# Altium PCB R3P903.PcbDoc
Units mil, origin at the board's own origin, x right, y up, seen from the top; angles counter-clockwise.
Board outline 3937.01 x 3937.01 mil, 2 copper layers (Top Layer, Bottom Layer); 80 components, 52 nets, 236 pads, 28 vias.
Unrouted connection lines stored in the file: 74.
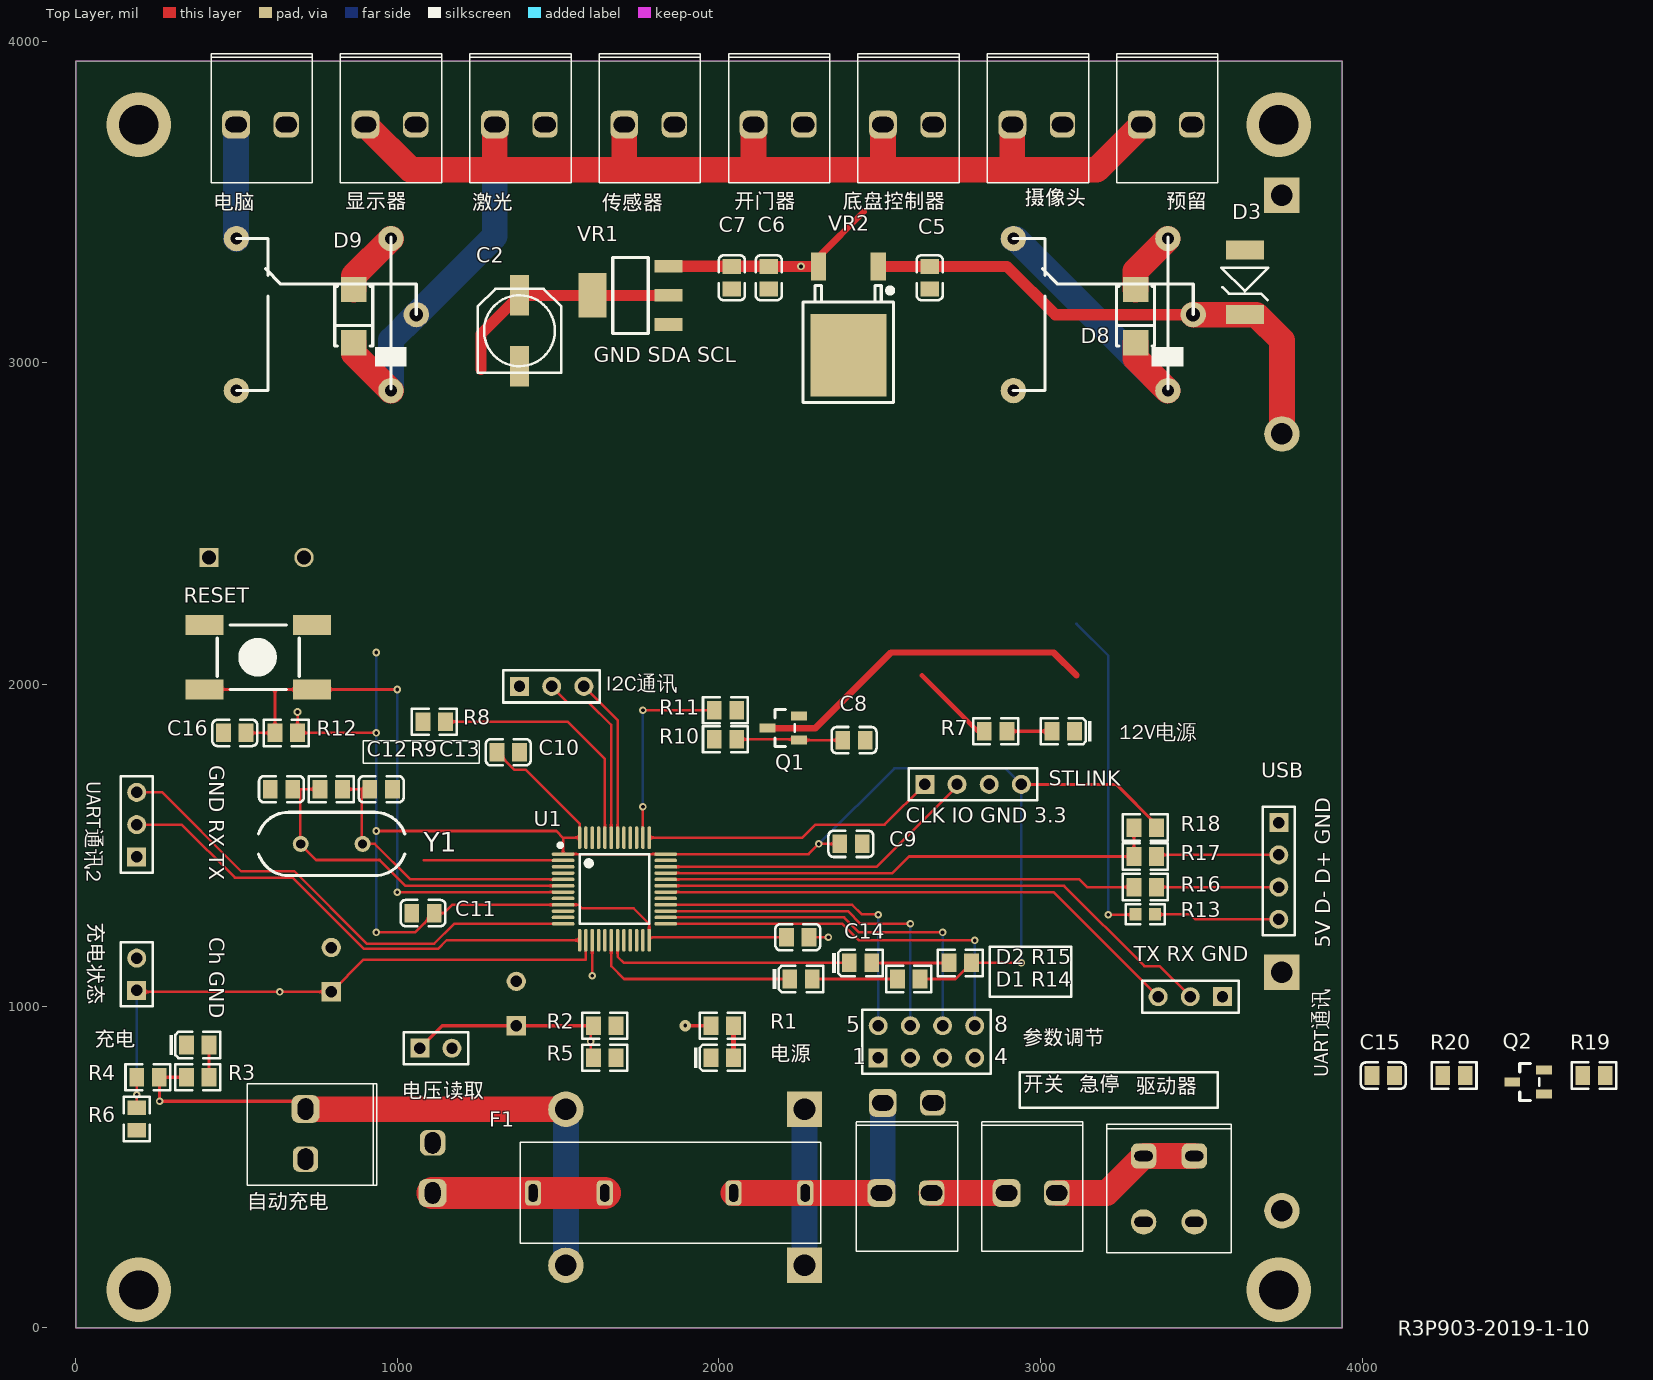
[diagram p0: Top Layer view]
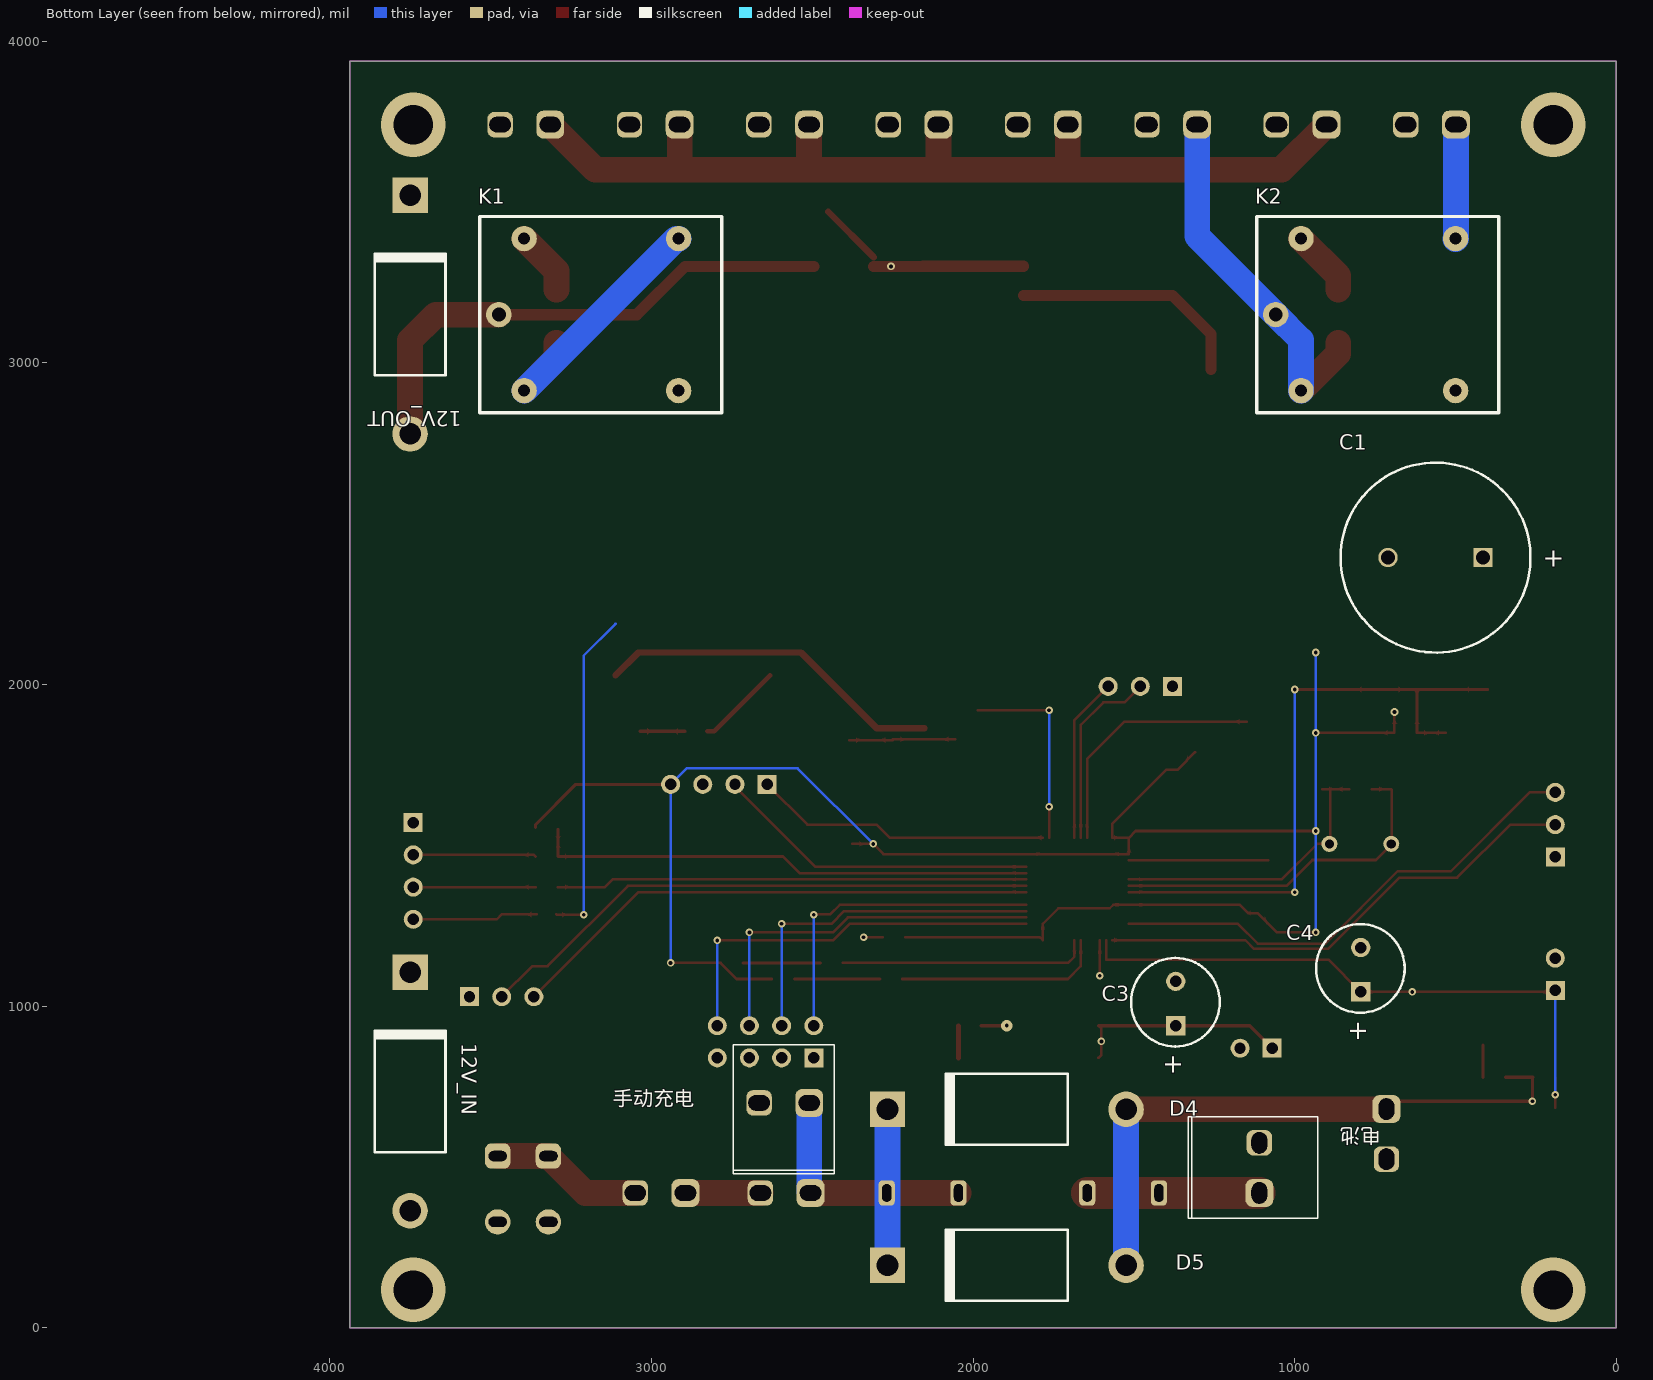
[diagram p1: Bottom Layer view, seen from below]
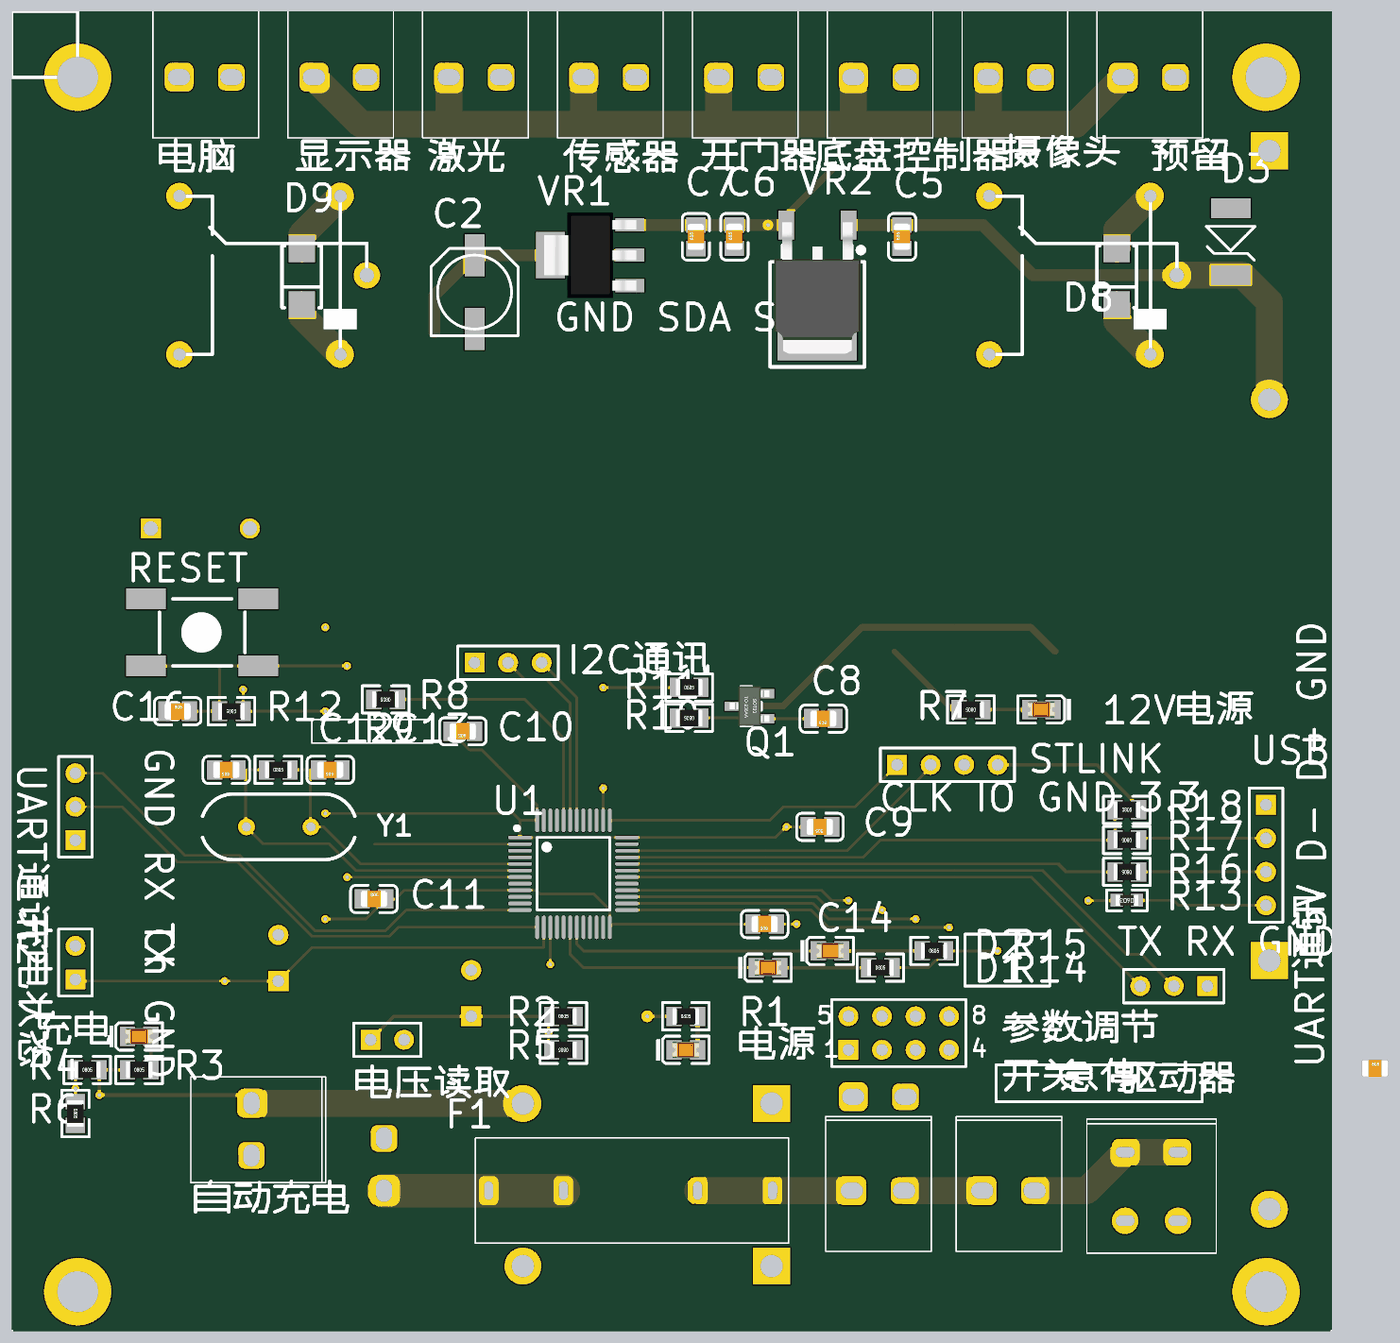
[diagram p2: 3D render of the assembled board from above, using the file's embedded part models]

## Layer stack, top to bottom
Top Solder: solder mask 0.4, Solder Resist, Dk 3.5
Top Layer: signal copper 1.4
Dielectric 1: dielectric 12.6, FR-4, Dk 4.8
Bottom Layer: signal copper 1.4
Bottom Solder: solder mask 0.4, Solder Resist, Dk 3.5

## Board outline
0,0 3937.01,0 3937.01,3937.01 0,3937.01

## Design rules (kind name [scope] priority, off if disabled: settings)
Clearance [All] p1: gap=8 ignorepadtopadclearanceinfootprint=FALSE
PlaneClearance [All] p1: clearance=50
PlaneConnect [All] p1: planeconnectstyle=Direct reliefexpansion=20 reliefentries=4 reliefconductorwidth=10 reliefairgap=10
PolygonConnect [All] p1: connectstyle=Direct reliefconductorwidth=12 reliefentries=4 polygonreliefangle="90 Angle" airgapwidth=10
RoutingVias [All] p1: holewidth=28 width=50 viastyle="Through Hole" minholewidth=28 minwidth=50 maxholewidth=28 maxwidth=50
SolderMaskExpansion [All] p1: expansion=4
Width [All] p1: maxlimit=200 minlimit=8 preferedwidth=50
28 further rules are at their usual default settings.

## Components (designator, comment, footprint, x,y, rotation, side; value= is the part's Value field where it differs from the comment)
12V_IN "Diode 1N5408" DO-201AD 3750,735 r90 bottom
12V_OUT "Diode 1N5408" DO-201AD 3750,3149.61 r90 bottom
12V电源 "红灯 0805" LC-0805_LED_S1 3070,1854.45 r180 top
C1 "Cap" Cap-DIP-10.0 414.72,2394.45 r180 bottom
C2 "22uF" CC6.56.5 1380,3099.45 r270 top
C3 "Cap" CAP-DIP-3.5 1370,939.45 r270 bottom
C4 "Cap" CAP-DIP-3.5 795,1044.45 r270 bottom
C5 "330nF (334) 10% 50V" LC-0805_C 2655,3264.45 r90 top
C6 "100nF(104) 10% 50V" LC-0805_C 2155,3264.45 r90 top
C7 "10uF (106) 10% 25V" LC-0805_C 2040,3264.25 r90 top
C8 "1uF (105) 10% 50V" LC-0805_C 2420.04,1827.05 r180 top
C9 "1uF (105) 10% 50V" LC-0805_C 2410,1504.45 r180 top
C10 "100nF(104) 10% 50V" LC-0805_C 1345,1789.45 r180 top
C11 "100nF(104) 10% 50V" LC-0805_C 1080,1289.45 r0 top
C12 "22pF (220) 5% 50V" LC-0805_C 639.96,1674.45 r180 top
C13 "22pF (220) 5% 50V" LC-0805_C 950,1674.45 r180 top
C14 "100nF(104) 10% 50V" LC-0805_C 2245,1214.45 r180 top
C15 "1uF (105) 10% 50V" LC-0805_C 4065,784.45 r0 top
C16 "100nF(104) 10% 50V" LC-0805_C 494.96,1849.45 r0 top
D1 "翠绿 0805" LC-0805_LED_S1 2255,1084.45 r0 top
D2 "红灯 0805" LC-0805_LED_S1 2440,1134.45 r0 top
D3 "SMBJ12A" SMBJ 3635,3255 r270 top
D4 "Diode 1N5408" DO-201AD 1895,679.45 r0 bottom
D5 "Diode 1N5408" DO-201AD 1895,194.45 r0 bottom
D8 "SS210" LC-SMA(DO-214AC)_S1 3295,3145 r90 top
D9 "SS210" LC-SMA(DO-214AC)_S1 865,3145 r90 top
F1 "Fuse" Fuse-20mm 1422.17,419.45 r0 top
I2C通讯 "Header 3" HDR1X3 1380,1993.98 r0 top (schematic designator I2CͨѶ)
K1 "Relay" JDQ-SRD-5DC 3159.09,3149.61 r270 bottom locked
K2 "Relay" JDQ-SRD-5DC 744.09,3149.61 r270 bottom locked
Q1 "SS8050 Y1" LC-SOT-23(SOT-23-3) 2200,1864.45 r0 top
Q2 "SS8050 Y1" LC-SOT-23(SOT-23-3) 4515,764.45 r0 top
R1 "20KΩ (2002) ±1%" LC-0805_R 2010.04,939.45 r0 top
R2 "50KΩ (5002) ±1%" LC-0805_R 1645,939.45 r0 top
R3 "20KΩ (2002) ±1%" LC-0805_R 380,779.41 r0 top
R4 "50KΩ (5002) ±1%" LC-0805_R 225,779.45 r0 top
R5 "10KΩ (1002) ±1%" LC-0805_R 1645,839.45 r180 top
R6 "10KΩ (1002) ±1%" LC-0805_R 190,649.45 r270 top
R7 "10KΩ (1002) ±1%" LC-0805_R 2860,1854.45 r180 top
R8 "10KΩ (1002) ±1%" LC-0805_R 1115,1884.45 r180 top
R9 "10MΩ (1005) ±1%" LC-0805_R 794.96,1674.45 r0 top
R10 "10KΩ (1002) ±1%" LC-0805_R 2020,1829.45 r180 top
R11 "1KΩ (1001) ±1%" LC-0805_R 2020,1920 r0 top
R12 "10KΩ (1002) ±1%" LC-0805_R 655,1849.45 r180 top
R13 "0Ω (0R0) ±1%" LC-0603_R 3325.32,1285.24 r180 top
R14 "510Ω (5100) ±1%" LC-0805_R 2590,1084.45 r0 top
R15 "510Ω (5100) ±1%" LC-0805_R 2750,1134.45 r0 top
R16 "10Ω (10R0) ±1%" LC-0805_R 3325,1370.24 r180 top
R17 "10Ω (10R0) ±1%" LC-0805_R 3325,1465.24 r180 top
R18 "1.5KΩ (1501) ±1%" LC-0805_R 3325,1555.24 r0 top
R19 "1KΩ (1001) ±1%" LC-0805_R 4720,784.45 r0 top
R20 "10KΩ (1002) ±1%" LC-0805_R 4285,784.45 r0 top
RESET "KEY_M" KEY_M 735,1984.45 r180 top
STLINK "Header 4" HDR1X4 2640,1689.45 r0 top
U1 "STM32F103C8T6" LC-LQFP-48_7x7x05P 1675,1364.45 r270 top
UART通讯 "Header 3" HDR1X3 3565,1029.45 r180 top (schematic designator UARTͨѶ)
UART通讯2 "Header 3" HDR1X3 190,1464.45 r90 top (schematic designator UARTͨѶ2)
USB "Header 4" HDR1X4 3740.16,1570.24 r270 top
VR1 "AMS1117-3.3" LC-SOT-223 1725,3209.45 r0 top
VR2 "L78M05ABDT-TR" LC-TO-252-2-180 2402.04,3299.45 r270 top
Y1 "8MHz" HC-49S 700,1504.45 r0 top
传感器 "Header 2" "VH-2A - Circle Hole" 1705.52,3740.16 r0 top
充电 "红灯 0805" LC-0805_LED_S1 380,879.45 r0 top
充电状态 "Header 2" HDR1X2 190,1049.45 r90 top
参数调节 "Header 4X2A" HDR2X4_CEN 2495,839.45 r0 top
底盘控制器 "Header 2" "VH-2A - Circle Hole" 2509.81,3740.16 r0 top
开关 "Header 2" "VH-2A - Circle Hole" 2505,419.45 r0 top
开门器 "Header 2" "VH-2A - Circle Hole" 2107.67,3740.16 r0 top
急停 "Header 2" "VH-2A - Circle Hole" 2894.09,419.45 r0 top
手动充电 "Header 2" "VH-2A - Circle Hole" 2509.09,699.45 r0 bottom
摄像头 "Header 2" "VH-2A - Circle Hole" 2911.95,3740.16 r0 top
显示器 "Header 2" "VH-2A - Circle Hole" 901.24,3740.16 r0 top
激光 "Header 2" "VH-2A - Circle Hole" 1303.38,3740.16 r0 top
电压读取 "Header 2" HDR1X2 1070,869.45 r0 top
电池 "Header 2" "VH-2A - Circle Hole" 1110,419.45 r90 bottom
电源 "红灯 0805" LC-0805_LED_S1 2010,839.45 r0 top
电脑 "Header 2" "VH-2A - Circle Hole" 499.09,3740.16 r0 top
自动充电 "Header 2" "VH-2A - Circle Hole" 715,680.35 r270 top
预留 "Header 2" "VH-2A - Circle Hole" 3314.09,3740.16 r0 top
驱动器 "插座" "HEADER 2X2" 3320,534.17 r0 top

## Footprints (in the part's own frame and the unit in brackets; to place one, negate y for a bottom-side part, rotate by r counter-clockwise, add the part's x,y. Pads: shape width x height; smd on the part's side, far side on the other; paste and mask are expansions set on the pad)
CAP-DIP-3.5 [mil]
  rect 60x60 hole 35.43: 1(0,0)
  round 60 hole 35.43: 2(-137.8,0)
  silkscreen extent -211,-139 65,137
Cap-DIP-10.0 [mil] "100mil_DIP"
  rect 60x60 hole 43.31: 1(0,0)
  round 60 hole 43.31: 2(-295.28,0)
  silkscreen extent -443,-295 147,295
CC6.56.5 [mm]
  rect 3.2x1.5 smd: 1(-2.794,0) 2(2.8,0)
  silkscreen extent -3.3,-3.3 3.3,3.3
DO-201AD [mm] "Diode, Axial; Body 9.5 x 5.6 mm (LxDia. max), Lead Dia. 1.32 mm (max)"
  round 2.8 hole 1.7: 1(-9.42,0)
  rect 2.8x2.8 hole 1.7: 2(9.42,0)
  silkscreen extent -4.8,-2.8 4.9,2.8
Fuse-20mm [mm] "直插保险丝夹"
  rrect50% 1.27x2 hole 1.4 slot 0.7 at 0 deg: 1(0,0) 1(5.66,0) 2(15.83,0) 2(21.49,0)
  silkscreen extent -1.02,-3.99 22.71,4
HC-49S [mil] "HC-49S直插晶振"
  round 50 hole 28: 1(0,0) 2(192.13,0)
  silkscreen extent -131,-98 323,98
HDR1X2 [mm] "Connector; Header; 2 Position"
  rect 1.5x1.5 hole 0.9: 1(0,0)
  round 1.5 hole 0.9: 2(2.54,0)
  silkscreen extent -1.27,-1.27 3.81,1.27
HDR1X3 [mm] "Connector; Header; 3 Position"
  rect 1.5x1.5 hole 0.9: 1(0,0)
  round 1.5 hole 0.9: 2(2.54,0) 3(5.08,0)
  silkscreen extent -1.27,-1.27 6.35,1.27
HDR1X4 [mm] "Connector; Header; 4 Position"
  rect 1.5x1.5 hole 0.9: 1(0,0)
  round 1.5 hole 0.9: 2(2.54,0) 3(5.08,0) 4(7.62,0)
  silkscreen extent -1.27,-1.27 8.89,1.27
HDR2X4_CEN [mm] "Connector; Header; 4x2 Position"
  rect 1.5x1.5 hole 0.9: 1(0,0)
  round 1.5 hole 0.9: 2(2.54,0) 3(5.08,0) 4(7.62,0) 5(0,2.54) 6(2.54,2.54) 7(5.08,2.54) 8(7.62,2.54)
  silkscreen extent -1.27,-1.27 8.89,3.81
"HEADER 2X2" [mm] "Header 2X2"
  rrect50% 2x2 hole 0.8 slot 1.45 at 0 deg: 1(0,0) 3(4,0)
  round 2 hole 0.8 slot 1.45 at 0 deg: 2(0,-5.2) 4(4,-5.2)
  silkscreen extent -2.9,-7.65 6.9,2.51
JDQ-SRD-5DC [mm] "JDQ-SRD-5DC"
  round 2 hole 0.95: 1(-6,-6) 2(6,-6) 4(6,6.2) 5(-6,6.2)
  round 2 hole 1.1: 3(0,-8)
  silkscreen extent -7.75,-9.5 7.75,9.6, body extent -7.75,-9.5 7.8,9.6, height 15.6
KEY_M [mm]
  rect 3x1.575 smd: 1(0,0) 1(8.5,0) 2(0,-5.08) 2(8.5,-5.08)
  silkscreen extent 1,-5.08 7.48,0
LC-0603_R [mm]
  rect 0.93x0.98 smd: 1(-0.77,0) 2(0.77,0)
  silkscreen extent -1.53,-0.79 1.54,0.79, body extent -0.85,-0.4 0.85,0.4, height 0.56
LC-0805_C [mm]
  rect 1.16x1.47 smd: 1(-0.89,0) 2(0.89,0)
  silkscreen extent -1.77,-1.04 1.77,1.04, body extent -1,-0.62 1,0.63, height 0.77
LC-0805_LED_S1 [mm]
  rect 1.16x1.47 smd: A(0.89,0) K(-0.89,0)
  silkscreen extent -2.25,-1.04 1.77,1.03, body extent -1.01,-0.62 1.01,0.62, height 1.1
LC-0805_R [mm]
  rect 1.16x1.47 smd: 1(-0.89,0) 2(0.89,0)
  silkscreen extent -1.77,-1.04 1.77,1.03, body extent -1,-0.62 1,0.63, height 0.49
LC-LQFP-48_7x7x05P [mm]
  oval 0.28x1.8 smd mask+0.051: 1(-2.75,-4.05) 2(-2.25,-4.05) 3(-1.75,-4.05) 4(-1.25,-4.05) 5(-0.75,-4.05) 6(-0.25,-4.05) 7(0.25,-4.05) 8(0.75,-4.05) 9(1.25,-4.05) 10(1.75,-4.05) 11(2.25,-4.05) 12(2.75,-4.05) 25(2.75,4.05) 26(2.25,4.05) 27(1.75,4.05) 28(1.25,4.05) 29(0.75,4.05) 30(0.25,4.05) 31(-0.25,4.05) 32(-0.75,4.05) 33(-1.25,4.05) 34(-1.75,4.05) 35(-2.25,4.05) 36(-2.75,4.05)
  oval 1.8x0.28 smd mask+0.051: 13(4.05,-2.75) 14(4.05,-2.25) 15(4.05,-1.75) 16(4.05,-1.25) 17(4.05,-0.75) 18(4.05,-0.25) 19(4.05,0.25) 20(4.05,0.75) 21(4.05,1.25) 22(4.05,1.75) 23(4.05,2.25) 24(4.05,2.75) 37(-4.05,2.75) 38(-4.05,2.25) 39(-4.05,1.75) 40(-4.05,1.25) 41(-4.05,0.75) 42(-4.05,0.25) 43(-4.05,-0.25) 44(-4.05,-0.75) 45(-4.05,-1.25) 46(-4.05,-1.75) 47(-4.05,-2.25) 48(-4.05,-2.75)
  silkscreen extent -3.6,-4.42 2.75,2.75
LC-SMA(DO-214AC)_S1 [mm]
  rect 2x2 smd: 1(2.1,0) 2(-2.1,0)
  silkscreen extent -2.35,-1.5 2.35,1.5
LC-SOT-23(SOT-23-3) [mm]
  rect 1.25x0.7 smd: 1(1.25,-0.95) 2(1.25,0.95) 3(-1.25,0)
  silkscreen extent -0.65,-1.46 0.9,1.46, body extent -1.5,-1.5 1.5,1.5, height 1.3
LC-SOT-223 [mm]
  rect 2.2x1 smd: 1(3,-2.3) 2(3,0) 3(3,2.3)
  rect 2.2x3.5 smd: 2(-3,0)
  silkscreen extent -1.4,-3 1.4,3, body extent -3.49,-3.24 3.49,3.24, height 1.64
LC-TO-252-2-180 [mm] "180度编带包装"
  rect 2.2x1.2 smd: 1(0,2.361) 3(0.004,-2.361)
  rect 6.5x6 smd: 2(7,0)
  silkscreen extent 1.5,-3.57 10.75,3.57, body extent -0.2,-3.27 9.74,3.27, height 2.44
SMBJ [mm]
  rect 1.5x3 smd: 1(-2.413,0) 2(2.667,0)
  silkscreen extent -1.02,-1.85 1.52,1.83
"VH-2A - Circle Hole" [mm] "Header 2 use for Power"
  rrect50% 2.2x2.2 hole 1.24 slot 1.7 at 0 deg: 1(0,0)
  rrect50% 2x2 hole 1.24 slot 1.7 at 0 deg: 2(3.96,0)
  silkscreen extent -1.98,-4.6 6.02,5.61

## Part data
12V_IN 12V_OUT D4 D5: "3 Amp Medium Power Silicon Rectifier Diode", ComponentLink1Description="Manufacturer Link", ComponentLink1URL=http://www.irf.com/, DatasheetVersion=Aug-1984, LatestRevisionDate=17-Jul-2002, LatestRevisionNote="Re-released for DXP Platform.", PackageDescription="Diode, Axial; Body 9.5 x 5.3 mm (LxDia. max), Lead Dia. 1.32 mm (max)", PackageReference=DO-201AD, Published=8-Jun-2000, Publisher="Altium Limited"
12V电源 D2 充电 电源: library part "0805 红灯", "发光二极管", Package=0805, SuppliersPartNumber=C2295, ComponentLink1Description=供应商, ComponentLink1URL=http://www.szlcsc.com/product/details_2668.html, Supplier=LC
C1 C3 C4: library part Cap_DIP, "Cap_DIP"
C2: library part CAP
C5: library part "0805 330nF (334) 10% 50V", "贴片电容", Package=0805, SuppliersPartNumber=C1740, ComponentLink1Description=供应商, ComponentLink1URL=http://www.szlcsc.com/product/details_2092.html, Supplier=LC
C6 C10 C11 C14 C16: library part "0805 100nF(104) 10% 50V", "贴片电容", Package=0805, SuppliersPartNumber=C49678, ComponentLink1Description=供应商, ComponentLink1URL=http://www.szlcsc.com/product/details_50686.html, Supplier=LC
C7: library part "0805 10uF (106) 10% 25V", "贴片电容", Package=0805, SuppliersPartNumber=C15850, ComponentLink1Description=供应商, ComponentLink1URL=http://www.szlcsc.com/product/details_16532.html, Supplier=LC
C8 C9 C15: library part "0805 1uF (105) 10% 50V", "贴片电容", Package=0805, SuppliersPartNumber=C28323, ComponentLink1URL=http://www.szlcsc.com/product/details_29074.html, Supplier=LC
  C8 C9: ComponentLink1Description=供应商
  C15: ComponentLink1Description=供应商链接
C12 C13: library part "0805 22pF (220) 5% 50V", "贴片电容", Package=0805, SuppliersPartNumber=C1804, ComponentLink1Description=供应商, ComponentLink1URL=http://www.szlcsc.com/product/details_2156.html, Supplier=LC
D1: library part "0805 翠绿", "发光二极管", Package=0805, SuppliersPartNumber=C2297, ComponentLink1Description=供应商, ComponentLink1URL=http://www.szlcsc.com/product/details_2670.html, Supplier=LC
D3: library part SMBJ, "TVS"
D8 D9: library part "SMA(DO-214AC) SS210", "二极管", Package=SMA(DO-214AC), SuppliersPartNumber=C14996, ComponentLink1URL=http://www.szlcsc.com/product/details_15669.html, Supplier=LC
  D8: ComponentLink1Description=供应商
  D9: ComponentLink1Description=供应商链接
F1: library part FUSE
I2C通讯 UART通讯 UART通讯2: "Header, 3-Pin", LatestRevisionDate=17-Jul-2002, LatestRevisionNote="Re-released for DXP Platform.", Publisher="Altium Limited"
K1 K2: library part JDQ-SRD-5DC
Q1 Q2: library part "SOT-23 SS8050 Y1", "三极管", Package=SOT-23, SuppliersPartNumber=C2150, ComponentLink1URL=http://www.szlcsc.com/product/details_2507.html, Supplier=LC
  Q1: ComponentLink1Description=供应商
  Q2: ComponentLink1Description=供应商链接
R1 R3: library part "0805 20KΩ (2002) 1%", "贴片电阻", Package=0805, SuppliersPartNumber=C4328, ComponentLink1Description=供应商, ComponentLink1URL=http://www.szlcsc.com/product/details_4735.html, Supplier=LC
R2 R4 R5 R6 R7 R8 R10 R12 R20: library part "0805 10KΩ (1002) 1%", "贴片电阻", Package=0805, SuppliersPartNumber=C17414, ComponentLink1URL=http://www.szlcsc.com/product/details_18102.html, Supplier=LC
  R2 R4 R5 R6 R7 R8 R10 R12: ComponentLink1Description=供应商
  R20: ComponentLink1Description=供应商链接
R9: library part "0805 10MΩ (1005) 1%", "贴片电阻", Package=0805, SuppliersPartNumber=C26108, ComponentLink1Description=供应商, ComponentLink1URL=http://www.szlcsc.com/product/details_26851.html, Supplier=LC
R11 R19: library part "0805 1KΩ (1001) 1%", "贴片电阻", Package=0805, SuppliersPartNumber=C17513, ComponentLink1URL=http://www.szlcsc.com/product/details_18201.html, Supplier=LC
  R11: ComponentLink1Description=供应商
  R19: ComponentLink1Description=供应商链接
R13: library part "0603 0Ω (0R0) 1%", "贴片电阻", Package=0603, SuppliersPartNumber=C21189, ComponentLink1Description=供应商, ComponentLink1URL=http://www.szlcsc.com/product/details_21903.html, Supplier=LC
R14 R15: library part "0805 510Ω (5100) 1%", "贴片电阻", Package=0805, SuppliersPartNumber=C17734, ComponentLink1Description=供应商, ComponentLink1URL=http://www.szlcsc.com/product/details_18422.html, Supplier=LC
R16 R17: library part "0805 10Ω (10R0) 1%", "贴片电阻", Package=0805, SuppliersPartNumber=C17415, ComponentLink1Description=供应商, ComponentLink1URL=http://www.szlcsc.com/product/details_18103.html, Supplier=LC
R18: library part "0805 1.5KΩ (1501) 1%", "贴片电阻", Package=0805, SuppliersPartNumber=C4310, ComponentLink1Description=供应商, ComponentLink1URL=http://www.szlcsc.com/product/details_4717.html, Supplier=LC
STLINK USB: "Header, 4-Pin", LatestRevisionDate=17-Jul-2002, LatestRevisionNote="Re-released for DXP Platform.", Publisher="Altium Limited"
U1: "ARM", Package=LQFP-48_7x7x05P, SuppliersPartNumber=C8734, ComponentLink1Description=供应商, ComponentLink1URL=http://www.szlcsc.com/product/details_9243.html, Supplier=LC
VR1: library part "SOT-223 AMS1117-3.3", "低压差线性稳压(LDO)", Package=SOT-223, SuppliersPartNumber=C6186, ComponentLink1Description=供应商, ComponentLink1URL=http://www.szlcsc.com/product/details_6652.html, Supplier=LC
VR2: library part "TO-252-2 L78M05ABDT-TR", "低压差线性稳压(LDO)", Package=TO-252-2, SuppliersPartNumber=C58069, ComponentLink1Description=供应商, ComponentLink1URL=http://www.szlcsc.com/product/details_59107.html, Supplier=LC
Y1: library part XTAL, "Crystal Oscillator", LatestRevisionDate=17-Jul-2002, LatestRevisionNote="Re-released for DXP Platform.", Published=8-Jun-2000, Publisher="Altium Limited"
传感器 底盘控制器 开关 开门器 急停 手动充电 摄像头 显示器 激光 电池 电脑 自动充电 预留: "贴片2p座"
充电状态 电压读取: "Header, 2-Pin", LatestRevisionDate=17-Jul-2002, LatestRevisionNote="Re-released for DXP Platform.", Publisher="Altium Limited"
参数调节: "Header, 4-Pin, Dual row", LatestRevisionDate=17-Jul-2002, LatestRevisionNote="Re-released for DXP Platform.", Publisher="Altium Limited"
驱动器: library part HEADER_2X2

## Via types
v1: diameter 23.62, hole 11.81, Top Layer to Bottom Layer, 23 vias
v2: diameter 200.79, hole 122.05, Top Layer to Bottom Layer, 4 vias
v3: diameter 35, hole 12, Top Layer to Bottom Layer, 1 vias

## Nets (pads, with @x,y where several pads share a name; then routed paths per layer and width w, separated by ;. In a path a pad name is that pad's centre, name@x,y a point inside that pad or via, vN(x,y) a via of type N, cw(c..) or ccw(c..) an arc to the next point about the centre after c; other vN are vias at no path point)
12V_IN: 12V_OUT.1 C5.2 D3.2 K1.3 VR2.1 | length 1641.3
  Top Layer w35: VR2.1 VR2.1 C5.2 2895.51,3299.49 3045.39,3149.61 K1.3
  Top Layer w80: K1.3 3670.39,3149.61 3750,3070 12V_OUT.1
+3.3: C2.1 C9.2 C10.2 C11.2 C14.2 R12.1 R14.2 R15.2 R18.2 STLINK.4 U1.1 U1.9 U1.24 U1.36 U1.48 VR1.2 | length 7388.9
  Top Layer w8: v1(690.04,1914.45) R12.1 v1(935,1849.45) ; v1(935,1229.45) 1055.04,1229.45 C11.2 1145,1289.45 1170.79,1315.24 U1.9 1564.17,1315.24 1574.96,1304.45 1735,1304.45 1783.27,1256.18 U1.24 1792.72,1214.45 C14.2 ; v1(935,1544.45) 1494.41,1544.45 1515.55,1523.31 ; C10.2 1364.96,1734.45 1400,1734.45 1566.73,1567.72 U1.48 1516.14,1523.9 1515.55,1523.31 ; C9.2 v1(2310,1504.45) 2278.27,1472.72 U1.36 U1.1 1515.55,1523.31 ; R14.2 2735.04,1084.45 R15.2 v1(2940,1134.45)
  Top Layer w10: STLINK.4 3235,1689.45 3360.04,1564.41 R18.2
  Top Layer w35: 1260,2979.45 1260,3089.45 C2.1 1606.89,3209.45 VR1.2@1843.11,3209.45
  Bottom Layer w8: v1(935,1229.45) v1(935,1544.45) v1(935,1849.45) v1(935,2099.45) ; v1(2310,1504.45) 2545,1739.45 2890,1739.45 STLINK.4 v1(2940,1134.45)
+5: C6.2 C7.2 R13.2 VR1.3 VR2.3 | length 1695.4
  Top Layer w8: v1(3210,1284.45) 3294.21,1284.45 R13.2
  Top Layer w20: VR2.3@2309.07,3328.52 2450,3469.45
  Top Layer w35: VR1.3 C6.2@2155,3300 ; C6.2 2308.87,3299.49 VR2.3
  Bottom Layer w8: 3111.22,2188.23 3210,2089.45 v1(3210,1284.45)
  other v1: 2255,3299.45
+12: C1.1 D8.2 D9.2 K1.2 K1.5 K2.2 K2.3 R7.2 传感器.1 底盘控制器.1 开门器.1 摄像头.1 显示器.1 激光.1 预留.1 | length 5528.2
  Top Layer w15: 2630.91,2028.23 2804.68,1854.45 R7.2
  Top Layer w80: D9.2 865,3028.7 K2.2 ; 显示器.1 1041.39,3600 1300,3600 ; 激光.1 1303.38,3603.38 1300,3600 ; 传感器.1 1705.52,3604.48 1710,3600 ; 开门器.1 2107.67,3607.67 2100,3600 ; 底盘控制器.1 2509.81,3600.19 2510,3600 ; 摄像头.1 2911.95,3603.05 2915,3600 ; D8.2 3295,3013.7 K1.2 ; 预留.1 3173.94,3600 2915,3600 ; 1300,3600 1710,3600 ; 1710,3600 2100,3600 ; 2100,3600 2510,3600 ; 2510,3600 2915,3600
  Bottom Layer w80: K2.2 980.32,3070.87 K2.3 ; K2.3@1059.06,3148.78 1303.38,3393.1 激光.1 ; K1.5 2922.87,3385.83 K1.2
+12_PC: K2.5 电脑.1 | length 355.5
  Bottom Layer w80: 电脑.1 499.09,3385.91 K2.5@500,3385
+24_INCONTROL: D4.1 D5.1 R3.1 R4.2 自动充电.1 | length 1918.3
  Top Layer w10: R3.1 344.92,779.45 R4.2 261.28,778.21 v1(261.28,704.45) 690.91,704.45 自动充电.1
  Top Layer w80: 自动充电.1@715,679.45 D4.1
  Bottom Layer w80: D5.1 D4.1
+Motor: 急停.2 驱动器.1 驱动器.3 | length 475
  Top Layer w80: 急停.2 3205.28,419.45 驱动器.1 驱动器.3
ADC_IN6: U1.16
ADC_IN7: U1.17
ADC_IN8: U1.29
Battery: D4.2 D5.2 F1.2 开关.1 手动充电.1 | length 1226.3
  Top Layer w80: F1.2@2045.39,419.45 2268.23,419.45 开关.1
  Bottom Layer w80: D5.2 D4.2 ; 开关.1 2509.09,423.54 手动充电.1
Battery_IN: 12V_IN.1 R1.1 R2.2 开关.2 急停.1 | length 313.2
  Top Layer w10: v3(1895,939.45) R1.1
  Top Layer w80: 开关.2 急停.1
Battery_V: C3.1 R2.1 R5.2 U1.15 电压读取.1 | length 786.8
  Top Layer w8: v1(1606.1,1094.45) U1.15 ; R5.2 1601.1,848.31 v1(1601.1,890.55) 1601.1,930.59 R2.1
  Top Layer w10: 电压读取.1 1140,939.45 1320,939.45 R2.1
BM0: U1.28 参数调节.5 | length 1018.3
  Top Layer w8: U1.28 2414.25,1315.24 2444.25,1285.24 2494.21,1285.24 v1(2495,1284.45)
  Bottom Layer w8: 参数调节.5 v1(2495,1284.45)
BM1: U1.27 参数调节.6 | length 1093.6
  Top Layer w8: U1.27 2400.63,1295.55 2440,1256.18 v1(2595,1256.18)
  Bottom Layer w8: 参数调节.6 v1(2595,1256.18)
BM2: U1.26 参数调节.7 | length 1169.8
  Top Layer w8: U1.26 2388.58,1275.87 2435,1229.45 v1(2695,1229.45)
  Bottom Layer w8: 参数调节.7 v1(2695,1229.45)
BM3: U1.25 参数调节.8 | length 1247
  Top Layer w8: U1.25 2383.27,1256.18 2435,1204.45 v1(2795,1204.45)
  Bottom Layer w8: 参数调节.8 v1(2795,1204.45)
GND: 12V_IN.2 12V_OUT.2 12V电源.K C1.2 C2.2 C3.2 C4.2 C5.1 C6.1 C7.1 C8.1 C9.1 C10.1 C11.1 C12.2 C13.1 C14.1 C15.1 C16.1 D3.1 I2C通讯.1 Q1.2 Q2.2 R5.1 R6.2 R8.2 R10.2 R20.2 RESET.2 STLINK.3 U1.8 U1.23 U1.35 U1.47 UART通讯2.1 UART通讯.1 USB.1 VR1.1 VR2.2 传感器.2 充电.K 充电状态.2 参数调节.1 参数调节.2 参数调节.3 参数调节.4 底盘控制器.2 开门器.2 手动充电.2 摄像头.2 显示器.2 激光.2 电压读取.2 电池.2 电源.K 电脑.2 自动充电.2 预留.2 驱动器.2 驱动器.4 | length 60
  Top Layer w8: C14.1 v1(2340,1214.45)
IIC_SCL: I2C通讯.3 U1.42 | length 513.5
  Top Layer w8: I2C通讯.3 1684.84,1889.13 U1.42
IIC_SDA: I2C通讯.2 U1.43 | length 585.1
  Top Layer w8: I2C通讯.2 1529.53,1944.45 1595,1944.45 1665.16,1874.29 U1.43
In_Charge: C4.1 R4.1 R6.1 U1.14 充电状态.1 | length 1920.5
  Top Layer w8: R4.1 R4.1 v1(190,724.45) R6.1 ; 充电状态.1 195,1044.45 v1(635,1044.45) ; v1(635,1044.45) v1(635,1044.45) ; U1.14 1586.42,1144.45 895,1144.45 C4.1 v1(635,1044.45)
  Bottom Layer w8: v1(190,724.45) 充电状态.1
JQD: R11.1 R19.1 U1.38 | length 617.5
  Top Layer w8: U1.38 v1(1763.58,1620) ; v1(1763.58,1920) R11.1
  Bottom Layer w8: v1(1763.58,1620) v1(1763.58,1920)
JQD1: U1.2 | length 433.6
  Top Layer w8: 1081.93,1453.03 U1.2
LED0: D1.K U1.18 | length 651.9
  Top Layer w8: U1.18 1665.16,1124.45 1705.16,1084.45 D1.K
LED1: D2.K U1.19 | length 779.4
  Top Layer w8: U1.19 1684.84,1153.72 1704.11,1134.45 D2.K
Net12V电源_A: 12V电源.A R7.1 | length 139.9
  Top Layer w10: R7.1 12V电源.A
NetC8_2: C8.2 Q1.1 R10.1 R11.2 | length 333.4
  Top Layer w8: R10.1 Q1.1@2246.81,1829.45 ; Q1.1@2249.21,1829.45 Q1.1@2246.81,1829.45 ; C8.2 Q1.1 Q1.1@2246.81,1829.45
NetC12_1: C12.1 R9.1 U1.6 Y1.1 | length 1102.4
  Top Layer w8: R9.1 700,1674.45 697.87,1672.32 697.87,1504.45 747.87,1454.45 945,1454.45 1025.16,1374.29 U1.6
NetC13_2: C13.2 R9.2 U1.5 Y1.2 | length 928.3
  Top Layer w8: R9.2 885,1674.45 ; C13.2 885,1674.45 ; U1.5 1040.47,1393.98 930,1504.45 890,1504.45 890,1669.45 885,1674.45
NetC15_2: C15.2 R19.2
NetD1_A: D1.A R14.1 | length 264.9
  Top Layer w10: D1.A R14.1
NetD2_A: D2.A R15.1 | length 239.9
  Top Layer w10: D2.A R15.1
NetD8_1: D8.1 K1.1 Q1.3 | length 1287
  Top Layer w20: Q1.3 2300,1864.45 2535,2099.45 3040,2099.45 3111.22,2028.23
  Top Layer w80: D8.1 3295,3285.51 K1.1
NetD9_1: D9.1 K2.1 Q2.3 | length 205.9
  Top Layer w80: D9.1 865,3270.51 K2.1
NetF1_1: F1.1 电池.1 | length 535
  Top Layer w100: 电池.1 1422.17,419.45 F1.1@1645,419.45
NetR1_2: R1.2 电源.A | length 100
  Top Layer w15: 电源.A 2045.08,839.49 R1.2
NetR3_2: R3.2 充电.A | length 100
  Top Layer w10: R3.2 充电.A
NetR8_1: R8.1 U1.44 | length 788.2
  Top Layer w8: R8.1 1529.84,1884.45 1645.47,1768.82 U1.44
NetR13_1: R13.1 USB.4 | length 390.7
  Top Layer w8: R13.1 3465,1285.24 3480,1270.24 USB.4
NetR16_1: R16.1 USB.3 | length 380.1
  Top Layer w8: R16.1 USB.3
NetR17_1: R17.1 USB.2 | length 382.2
  Top Layer w8: R17.1 3365.04,1470.24 USB.2
NRST: C16.2 R12.2 RESET.1 U1.7 | length 1970.2
  Top Layer w8: RESET.1@400.35,1984.45 619.96,1984.45 ; C16.2 R12.2 619.96,1984.45 ; v1(1000,1354.45) 1429.69,1354.45 1429.84,1354.61 U1.7 ; v1(1000,1984.45) 735,1984.45 619.96,1984.45
  Bottom Layer w8: v1(1000,1354.45) v1(1000,1984.45)
SWCLK: STLINK.1 U1.37 | length 925.3
  Top Layer w8: U1.37 2259.45,1523.9 2300,1564.45 2515,1564.45 STLINK.1
SWDIO: STLINK.2 U1.34 | length 1015.2
  Top Layer w8: U1.34 2490,1433.35 2740,1683.35 STLINK.2
U_RX: U1.31 UART通讯.2 | length 1773.4
  Top Layer w8: U1.31 3072.95,1374.29 3322.8,1124.45 3370,1124.45 UART通讯.2
U_TX: U1.30 UART通讯.3 | length 1665.2
  Top Layer w8: U1.30 3039.84,1354.61 UART通讯.3
USART2_RX: U1.13 UART通讯2.2 | length 1547.6
  Top Layer w8: UART通讯2.2 330,1564.45 495,1399.45 675,1399.45 896,1178.45 1126.63,1178.45 1153.18,1205 U1.13
USART2_TX: U1.12 UART通讯2.3 | length 1545.8
  Top Layer w8: UART通讯2.3 270,1664.45 515,1419.45 680,1419.45 905,1194.45 1115,1194.45 1176.73,1256.18 U1.12
USART3_RX: U1.22
USART3_TX: U1.21
USB_D+: R17.2 R18.1 U1.33 | length 1561.9
  Top Layer w8: U1.33 2539.21,1413.66 2590.79,1465.24 R17.2 R18.1@3289.96,1550.24
USB_D-: R16.2 U1.32 | length 1465.3
  Top Layer w8: U1.32 3120.47,1393.98 3144.21,1370.24 R16.2
pads on no net: K1.4 K2.4 Q2.1 R20.1 U1.3 U1.4 U1.10 U1.11 U1.20 U1.39 U1.40 U1.41 U1.45 U1.46
copper on no net:
  other v2: 196.85,118.11 3740.16,118.11 196.85,3740.16 3740.16,3740.16

## Keep-outs
Keep-Out Layer:
  the board outline again, w3.94

## Silkscreen, mask and mechanical layers (free items; w line width, h text height)
Top Overlay:
  lines w3.94: 894.68,1754.45 895,1754.76 895,1824.45 1255,1824.45 1255,1754.45 894.68,1754.45
  lines w7.87: 2842.28,1029.45 3095,1029.45 3095,1184.45 2842.28,1184.45 2842.28,1029.45 ; 2935,684.45 2935,794.45 3550,794.45 3550,684.45 2935,684.45
  text "GND SDA SCL" at 1610,2985.86 h80
  text "GND RX TX" at 400,1748.7 h80 r270
  text "CLK IO GND 3.3" at 2580,1554.45 h80
  text "Ch GND" at 400,1214.45 h80 r270
  text "5V D- D+ GND" at 3915,1182.24 h80 r90
  text "TX RX GND" at 3289.96,1124.45 h80
  text "R3P903-2019-1-10" at 4110,-40.55 h80

## Dimensions
196.85,3740.16 to 0,3937.01 on Top Overlay
196.85,3740.16 to 0,3937.01 on Top Overlay
0,0 to 3937.01,0 on Top Overlay
0,3937.01 to 0,0 on Top Overlay

## Text inside footprints (layer, text, board x,y; h text height)
C1: Bottom Overlay "+" at 229.72,2365.45 h59.06
C3: Bottom Overlay "+" at 1402,851.45 h59.06 r90
C4: Bottom Overlay "+" at 827,956.45 h59.06 r90
参数调节: Top Overlay "5" at 2395,919.45 h50; Top Overlay "1" at 2415,819.45 h50; Top Overlay "4" at 2855,819.45 h50; Top Overlay "8" at 2855,919.45 h50